# Altium PCB Audio-Beamformer_V1.0.PcbDoc (part 3 of 11) (continued)
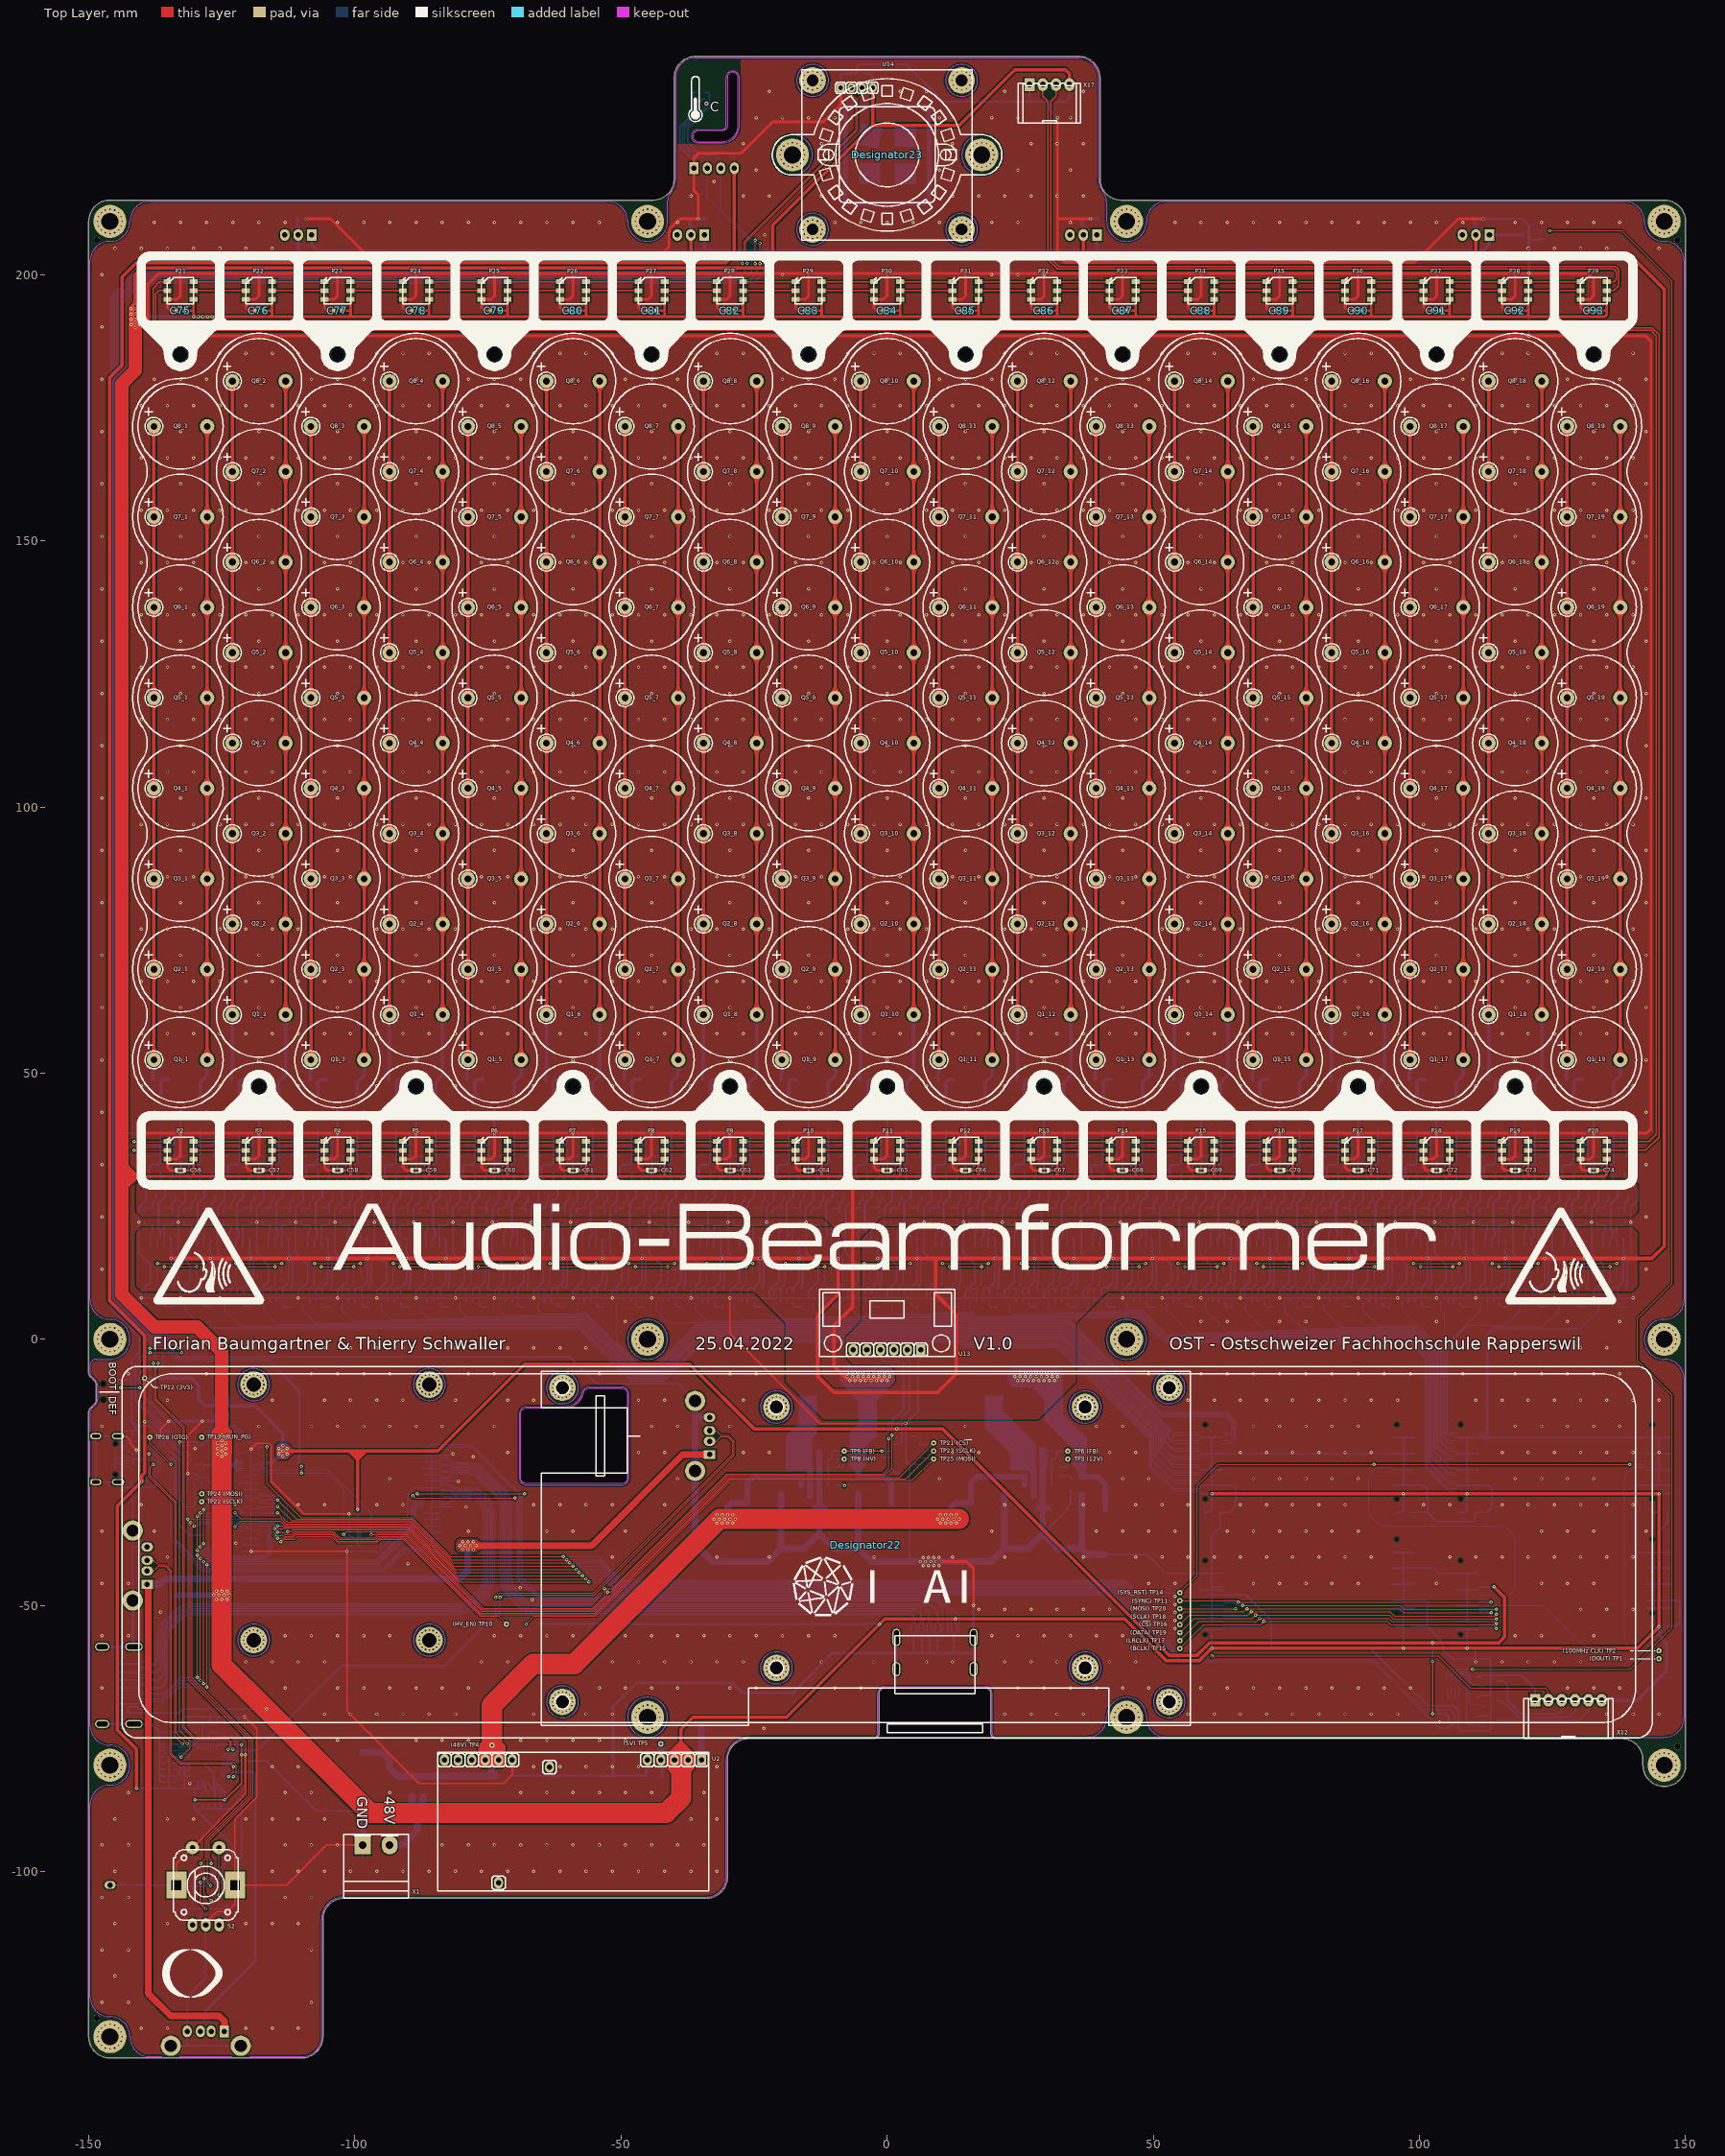
[diagram p0: Top Layer view]
## Footprints (in the part's own frame and the unit in brackets; to place one, negate y for a bottom-side part, rotate by r counter-clockwise, add the part's x,y. Pads: shape width x height; smd on the part's side, far side on the other; paste and mask are expansions set on the pad) (continued)
"SMD Connector (1661)" [mm] "SMD_LED_RED"
  rect 2x0.25 smd: 1(2.2,6) 2(2.2,5.5) 3(2.2,5) 4(2.2,4.5) 5(2.2,4) 6(2.2,3.5) 7(2.2,3) 8(2.2,2.5) 9(2.2,2) 10(2.2,1.5) 11(2.2,1) 12(2.2,0.5) 13(2.2,0) 14(2.2,-0.5) 15(2.2,-1) 16(2.2,-1.5) 17(2.2,-2) 18(2.2,-2.5) 19(2.2,-3) 20(2.2,-3.5) 21(2.2,-4) 22(2.2,-4.5) 23(2.2,-5) 24(2.2,-5.5) 25(2.2,-6) 26(-2.2,-6) 27(-2.2,-5.5) 28(-2.2,-5) 29(-2.2,-4.5) 30(-2.2,-4) 31(-2.2,-3.5) 32(-2.2,-3) 33(-2.2,-2.5) 34(-2.2,-2) 35(-2.2,-1.5) 36(-2.2,-1) 37(-2.2,-0.5) 38(-2.2,0) 39(-2.2,0.5) 40(-2.2,1) 41(-2.2,1.5) 42(-2.2,2) 43(-2.2,2.5) 44(-2.2,3) 45(-2.2,3.5) 46(-2.2,4) 47(-2.2,4.5) 48(-2.2,5) 49(-2.2,5.5) 50(-2.2,6)
  round 0 hole 0.55: NC(-1.25,-6.95) NC(-1.25,6.95)
  silkscreen extent -2,-7.6 4,7.6
"SMD CRYSTAL 3.2X2.5X0.8" [mm] "SMD_LED_RED"
  rect 1.4x1.2 smd: 1(1.2,0.95) 2(-1.2,-0.95) 3(-1.2,0.95) 3(1.2,-0.95)
  silkscreen extent -1.6,-1.25 2,1.7, body extent -1.65,-1.3 1.65,1.3, height 0.8
"SMD DIODE SOD-123" [mm] "SM LED; 2 Flat Leads"
  rect 1x1.2 smd: A(-1.62,0) K(1.62,0)
  silkscreen extent -1.4,-0.87 1.4,0.9, body extent -1.92,-0.85 1.93,0.85, height 1.42
"SMD Diode TO-277" [mm] "SM LED; 2 Flat Leads"
  rect 1.4x1.4 smd: A(-3.805,-1.04) A(-3.805,1.04)
  rect 4.72x4.8 smd: K(0,0)
  silkscreen extent -3.93,-2.03 1.33,2.02, body extent -4.4,-2.37 2.25,2.37, height 1.2
"SMD Elko 10.0x10.0" [mm]
  rect 5x2.2 smd: M(4.2,0) P(-4.2,0)
  silkscreen extent -5.5,-5.5 5,5, body extent -5.85,-5.15 5.85,5.15, height 10.3
"SMD Elko 12.5x13.5" [mm]
  rect 5.5x2.5 smd: M(5.5,0) P(-5.5,0)
  silkscreen extent -7.25,-7.25 6.75,6.75, body extent -7.45,-6.75 7.45,6.75, height 13.5
"SMD HDMI HORIZONTAL" [mm]
  rect 0.3x2.6 smd: 1(4.5,0.76) 2(4,0.76) 3(3.5,0.76) 4(3,0.76) 5(2.5,0.76) 6(2,0.76) 7(1.5,0.76) 8(1,0.76) 9(0.5,0.76) 10(0,0.76) 11(-0.5,0.76) 12(-1,0.76) 13(-1.5,0.76) 14(-2,0.76) 15(-2.5,0.76) 16(-3,0.76) 17(-3.5,0.76) 18(-4,0.76) 19(-4.5,0.76)
  oval 1.5x2.7 hole 0.9 slot 2.1 at 90 deg: SHD(-7.25,-5.96) SHD(7.25,-5.96)
  oval 1.5x3.3 hole 0.9 slot 2.7 at 90 deg: SHD(-7.25,0) SHD(7.25,0)
  silkscreen extent -7.5,-10.6 7.5,1.6, body extent -7.5,-10.58 7.5,1.57, height 6.18
"SMD IC MSOP-10" [mm] "Shrink Small Outline; 16 Leads; Body Width 4.4 mm; Pitch 0.65 mm"
  oval 0.3x1 smd: 1(1,2.4) 2(0.5,2.4) 3(0,2.4) 4(-0.5,2.4) 5(-1,2.4) 6(-1,-2.4) 7(-0.5,-2.4) 8(0,-2.4) 9(0.5,-2.4) 10(1,-2.4)
  silkscreen extent -1.5,-1.5 1.81,2.06, body extent -1.5,-2.45 1.5,2.45, height 1.15
"SMD IC SM-8" [mm] "Shrink Small Outline; 16 Leads; Body Width 4.4 mm; Pitch 0.65 mm"
  oval 1x0.4 smd: 1(-1.75,0.975) 2(-1.75,0.325) 3(-1.75,-0.325) 4(-1.75,-0.975) 5(1.75,-0.975) 6(1.75,-0.325) 7(1.75,0.325) 8(1.75,0.975)
  silkscreen extent -1.86,-1.5 1.4,1.87, body extent -2,-1.45 2,1.45, height 1.1
"SMD IC SOIC-8" [mm]
  oval 0.6x2.2 smd: 1(1.905,2.7) 2(0.635,2.7) 3(-0.635,2.7) 4(-1.905,2.7) 5(-1.905,-2.7) 6(-0.635,-2.7) 7(0.635,-2.7) 8(1.905,-2.7)
  silkscreen extent -2.52,-2 2.48,2, body extent -2.52,-3.12 2.48,3.12, height 1.75
"SMD IC SOT-363 (SC-70-6)" [mm]
  rect 0.6x0.4 smd: 1(-0.95,0.65) 2(-0.95,0) 3(-0.95,-0.65) 4(0.95,-0.65) 5(0.95,0) 6(0.95,0.65)
  silkscreen extent -0.8,-1.05 0.63,1.4, body extent -1.05,-1 1.05,1, height 0.92
"SMD IC SOT-563" [mm]
  rrect50% 0.67x0.3 smd: 1(-0.74,0.5) 2(-0.74,0) 3(-0.74,-0.5) 4(0.74,-0.5) 5(0.74,0) 6(0.74,0.5)
  silkscreen extent -0.82,-0.8 0.55,1.17, body extent -0.81,-0.8 0.81,0.8, height 0.58
"SMD IC TO-263-5" [mm]
  rect 4.6x1.1 smd: 1(5.725,-3.4) 2(5.725,-1.7) 3(5.725,0) 4(5.725,1.7) 5(5.725,3.4)
  rect 9.4x10.8 smd: 3(-3.375,0)
  silkscreen extent 1.47,-5.5 7.98,5.5, body extent -7.83,-5 7.84,5, height 4.78
"SMD IC TSSOP-8" [mm] "Shrink Small Outline; 16 Leads; Body Width 4.4 mm; Pitch 0.65 mm"
  oval 0.4x1.26 smd: 1(0.975,2.2) 2(0.325,2.2) 3(-0.325,2.2) 4(-0.975,2.2) 5(-0.975,-2.2) 6(-0.325,-2.2) 7(0.325,-2.2) 8(0.975,-2.2)
  silkscreen extent -1.55,-1.55 2.02,2.22, body extent -1.55,-2.5 1.55,2.5, height 1.07
"SMD IC VFQFN-36" [mm]
  oval 0.25x0.9 smd: 1(2,2.9) 2(1.5,2.9) 3(1,2.9) 4(0.5,2.9) 5(0,2.9) 6(-0.5,2.9) 7(-1,2.9) 8(-1.5,2.9) 9(-2,2.9) 19(-2,-2.9) 20(-1.5,-2.9) 21(-1,-2.9) 22(-0.5,-2.9) 23(0,-2.9) 24(0.5,-2.9) 25(1,-2.9) 26(1.5,-2.9) 27(2,-2.9)
  oval 0.9x0.25 smd: 10(-2.9,2) 11(-2.9,1.5) 12(-2.9,1) 13(-2.9,0.5) 14(-2.9,0) 15(-2.9,-0.5) 16(-2.9,-1) 17(-2.9,-1.5) 18(-2.9,-2) 28(2.9,-2) 29(2.9,-1.5) 30(2.9,-1) 31(2.9,-0.5) 32(2.9,0) 33(2.9,0.5) 34(2.9,1) 35(2.9,1.5) 36(2.9,2)
  rect 3.7x3.7 smd: PAD(0,0)
  silkscreen extent -2.6,-2.6 3.12,3.13, body extent -3,-3 3,3, height 1.07
"SMD Inductor 7x7x4.5" [mm]
  rect 1.5x2.2 smd: 1(-3.15,0) 2(3.15,0)
  silkscreen extent -3.5,-3.5 3.5,3.5, body extent -3.6,-3.5 3.6,3.5, height 4.61
"SMD Inductor 13.8x12.6x6.5" [mm]
  rect 3.25x4.5 smd: 1(-5.625,0) 2(5.625,0)
  silkscreen extent -6.5,-6.3 6.5,6.3, body extent -6.45,-6.15 6.4,6.35, height 6.35
"SMD Keramikkondensator 0603" [mil]
  rect 25x35 smd: 1(-30,0) 2(30,0)
  silkscreen extent -30,-15 30,15, body extent -31,-16 31,16, height 32
"SMD Keramikkondensator 1206" [mil]
  rect 45x70 smd: 1(-60,0) 2(60,0)
  silkscreen extent -60,-30 60,30, body extent -63,-31 63,31, height 39
"SMD LED 0603" [mm] "SMD_LED_RED"
  rect 0.8x0.8 smd: A(-0.75,0) K(0.75,0)
  silkscreen extent -0.8,-0.4 0.8,0.4, body extent -0.81,-0.37 0.84,0.36, height 0.68
"SMD LED APA102C-5050" [mm] "SMD_LED_RED"
  rect 1.5x0.9 smd: 1(2.45,-1.65) 2(2.45,0) 3(2.45,1.65) 4(-2.45,1.65) 5(-2.45,0) 6(-2.45,-1.65)
  silkscreen extent -2.5,-2.5 2.5,2.5, body extent -2.75,-2.5 2.75,2.5, height 1.58
"SMD MOSFET SOT-23" [mm]
  rect 1x0.7 smd: D(1.2,0) G(-1.2,0.95) S(-1.2,-0.95)
  silkscreen extent -0.8,-1.5 0.8,1.5, body extent -1.3,-1.5 1.2,1.5, height 1.1
"SMD PPTC-Fuse 1206" [mil]
  rect 40x70 smd: 1(-60,0) 2(60,0)
  silkscreen extent -60,-30 60,30, body extent -63,-33 63,33, height 22
"SMD Switch SPDT (PCM12SMTR)" [mm]
  rect 0.7x1.5 smd: 1(2.25,-1.75) 2(-0.75,-1.75) 3(-2.25,-1.75)
  rect 1x0.8 smd: NC(-3.65,-0.965) NC(-3.65,0.965) NC(3.65,-0.965) NC(3.65,0.965)
  round 0 hole 0.9 unplated: NC(-1.5,0) NC(1.5,0)
  silkscreen extent -3.2,-1.3 3.2,2.3, body extent -3.67,-2.23 3.68,2.34, height 1.4
"SMD USB-C Socket (A40-00119)" [mm]
  rect 0.6x1.25 smd: A1B12(-3.2,7.45) A4B9(-2.4,7.45) B1A12(3.2,7.45) B4A9(2.4,7.45)
  rect 0.3x1.25 smd: A5(-1.25,7.45) A6(-0.25,7.45) A7(0.25,7.45) A8(1.25,7.45) B5(1.75,7.45) B6(0.75,7.45) B7(-0.75,7.45) B8(-1.75,7.45)
  oval 1.2x2.1 hole 0.6 slot 1.4 at 90 deg: G1(-4.32,2.6) G3(4.32,2.6)
  oval 1.2x2.3 hole 0.6 slot 1.7 at 90 deg: G2(-4.32,6.78) G4(4.32,6.78)
  round 0 hole 0.65 unplated: NC(-2.89,6.28) NC(2.89,6.28)
  silkscreen extent -4.4,0 4.4,7.3, body extent -4.47,0 4.48,7.75, height 3.26
"SMD Widerstand 0603" [mil]
  rect 25x35 smd: 1(-30,0) 2(30,0)
  silkscreen extent -30,-15 30,15, body extent -31,-16 31,16, height 18
"SMD Widerstand 1206" [mil]
  rect 40x70 smd: 1(-60,0) 2(60,0)
  silkscreen extent -60,-30 60,30, body extent -63,-31 63,32, height 22
"SMD Widerstand Array 4-Fach 0603" [mm]
  rect 0.65x0.8 smd: 1(-1.275,-0.7) 4(1.275,-0.7) 5(1.275,0.7) 8(-1.275,0.7)
  rect 0.5x0.8 smd: 2(-0.4,-0.7) 3(0.4,-0.7) 6(0.4,0.7) 7(-0.4,0.7)
  silkscreen extent -1.6,-0.8 1.6,0.8, body extent -1.6,-0.8 1.6,0.8, height 0.51
"THT CAMERA (USB500W02M)" [mm] "Capacitor, Electrolytic, Radial; Body 5 x 5 mm (Dia.xH typ); Pin Spacing 2 mm (typ)"
  rect 1.5x1.8 hole 0.85: 1(-8.7,12.6)
  oval 1.5x1.8 hole 0.85: 2(-6.7,12.6) 3(-4.7,12.6) 4(-2.7,12.6)
  round 5 hole 2.2: NC(-14,-14) NC(-14,14) NC(14,-14) NC(14,14)
  silkscreen extent -16,-16 16,16, body extent -16.25,-16.25 16.25,16.25, height 21.12
"THT Connector 2.5mm 4-Pol (1778641)" [mm] "Capacitor, Electrolytic, Radial; Body 5 x 5 mm (Dia.xH typ); Pin Spacing 2 mm (typ)"
  rect 1.9x2.4 hole 1.1: 1(-3.75,7.2)
  oval 1.9x2.4 hole 1.1: 2(-1.25,7.2) 3(1.25,7.2) 4(3.75,7.2)
  silkscreen extent -5.85,0 5.85,7.5, body extent -5.86,-10.5 5.86,7.5, height 5.04
"THT Connector 2.5mm 6-Pol (1778667)" [mm] "Capacitor, Electrolytic, Radial; Body 5 x 5 mm (Dia.xH typ); Pin Spacing 2 mm (typ)"
  rect 1.9x2.4 hole 1.1: 1(-6.25,7.2)
  oval 1.9x2.4 hole 1.1: 2(-3.75,7.2) 3(-1.25,7.2) 4(1.25,7.2) 5(3.75,7.2) 6(6.25,7.2)
  silkscreen extent -8.35,0 8.35,7.5, body extent -8.36,-10.5 8.36,7.5, height 5.04
"THT Connector 2.54mm 3-Pol (61900311021)" [mm] "Capacitor, Electrolytic, Radial; Body 5 x 5 mm (Dia.xH typ); Pin Spacing 2 mm (typ)"
  rect 1.8x2.2 hole 1: 1(-2.54,7.45)
  oval 1.8x2.2 hole 1: 2(0,7.45) 3(2.54,7.45)
  silkscreen extent -3.8,-5.7 3.8,7.8, body extent -3.81,-5.75 3.81,7.77, height 5.85
"THT DC-DC-Converter (NID65-X)" [mm] "Capacitor, Electrolytic, Radial; Body 5 x 5 mm (Dia.xH typ); Pin Spacing 2 mm (typ)"
  rect 1.7x2.2 hole 1: 1(-24.13,0)
  oval 1.7x2.2 hole 1: 2(-21.59,0) 3(-19.05,0) 4(-16.51,0) 5(-13.97,0) 6(11.43,0) 7(13.97,0) 8(16.51,0) 9(19.05,0) 10(21.59,0) 11(24.13,0) NC(4.411,1.35) NC(14.011,23.075)
  silkscreen extent -25.53,-1.4 25.43,24.6, body extent -25.52,-1.4 25.42,24.6, height 10.25
"THT Messpunkt Ø2.54mm Schwarz" [mm]
  oval 1.5x2.1 hole 1: 1(0,0)
  silkscreen extent -1.2,-1.2 1.2,1.2, body extent -1.27,-1.27 1.27,1.27, height 4.57
"THT Pin-Header 4x1 (NP)" [mm] "Capacitor, Electrolytic, Radial; Body 5 x 5 mm (Dia.xH typ); Pin Spacing 2 mm (typ)"
  rect 1.7x2.2 hole 1: 1(-3.81,0)
  oval 1.7x2.2 hole 1: 2(-1.27,0) 3(1.27,0) 4(3.81,0)
  silkscreen extent -5.08,-1.27 5.08,1.27
"THT Rotary Encoder with Switch" [mm]
  oval 1.8x2.5 hole 1: 1(-2.5,-7.5) 2(0,-7.5) 3(2.5,-7.5)
  round 2.5 hole 1: 4(2.5,7) 5(-2.5,7)
  rect 3.8x5 hole 1.8 square: 6(-5.5,0) 6(5.5,0)
  silkscreen extent -6.1,-6.6 6.1,6.6, body extent -7,-7.7 7,7.2, height 31.62
"THT SCHRAUBKLEMME STECKBAR 2-POL (1757242)" [mm]
  rect 3x3.5 hole 1.4: 1(-2.54,10)
  oval 3x3.5 hole 1.4: 2(2.54,10)
  silkscreen extent -6.1,0 6.1,12, body extent -6.08,-9.83 6.08,12, height 10.2
"THT Testpunkt Ø1mm" [mm]
  round 1 hole 0.4: 1(0,0)
"THT ToF-Sensor (VL53L5CX)" [mm] "Capacitor, Electrolytic, Radial; Body 5 x 5 mm (Dia.xH typ); Pin Spacing 2 mm (typ)"
  rect 1.7x2.2 hole 1: 1(6.35,0)
  oval 1.7x2.2 hole 1: 2(3.81,0) 3(1.27,0) 4(-1.27,0) 5(-3.81,0) 6(-6.35,0)
  silkscreen extent -12.7,-1.27 12.7,11.43, body extent -12.7,-1.27 12.7,11.43, height 15.5
"THT Transducer (MA40A16) (5mm Offset)" [mm] "Capacitor, Electrolytic, Radial; Body 5 x 5 mm (Dia.xH typ); Pin Spacing 2 mm (typ)"
  round 2.7 hole 1.3: 1(-5,0) 2(5,0)
  silkscreen extent -8,-8 8,8, body extent -8.1,-8.1 8.1,8.1, height 17
"THT USB-A (292303-1)" [mm] "Capacitor, Electrolytic, Radial; Body 5 x 5 mm (Dia.xH typ); Pin Spacing 2 mm (typ)"
  rect 1.7x2.2 hole 1: 1(3.5,-12.99)
  oval 1.7x2.2 hole 1: 2(1,-12.99) 3(-1,-12.99) 4(-3.5,-12.99)
  round 3.8 hole 2.3: 4(-6.57,-10.28) 4(6.57,-10.28)
  silkscreen extent -7.3,-14 7.3,0, body extent -8.12,-14 8.12,0, height 7.77

## Part data
C1 C10: library part "E6 - 10nF", "SMD Ceramic Capacitor E6", Component Value="10nF 50V", JLC-Parts=C57112, Component Description="Multilayer Ceramic Capacitors MLCC", ComponentLink1Description=Datasheet, ComponentLink1URL=https://datasheet.lcsc.com/lcsc/2102081402_FH-Guangdong-Fenghua-Advanced-Tech-0603B103K500NT_C57112.pdf, Digikey=478-3700-1-ND, Farnell=1833876, Mouser=581-06031C103J, Unit Price=0.01
C2 C6 C16 C17 C19 C20 C21_1 C21_2 C22_1 C22_2 C23_1 C23_2 C24_1 C24_2 C51 C52 C53 C54 C94 C96: library part C-CAPACITOR, "CAP-MK", Component Value="10µF 50V", JLC-Parts=C13585, Component Description="Multilayer Ceramic Capacitors", Digikey=445-7886-1-ND, Farnell=2211092, Mouser=810-CGA5L3X5R1H106K, Unit Price=0.27
C3 C7 C18: library part C-ELCAP, "CAP-Elko", Component Value="470µF 25V", JLC-Parts=C176672, Component Description="Electrolytic Capacitor", Mouser=140-VEJ471M1ETR1010, Unit Price=0.17
C4 C8 C12 C13: library part C-ELCAP, "CAP-Elko", Component Value="220µF 63V", JLC-Parts=C249502, Component Description="Electrolytic Capacitor", Unit Price=0.42
C5 C9 C11 C14 C25_1 C25_2 C25_3 C25_4 C25_5 C25_6 C25_7 C25_8 C25_9 C25_10 C25_11 C25_12 C25_13 C25_14 C25_15 C25_16 C25_17 C25_18 C25_19 C29_1 C29_2 C29_3 C29_4 C29_5 C29_6 C29_7 C29_8 C29_9 C29_10 C29_11 C29_12 C29_13 C29_14 C29_15 C29_16 C29_17 C29_18 C29_19: library part C-CAPACITOR, "CAP-MK", Component Value="1µF 100V", JLC-Parts=C91151, Component Description="Multilayer Ceramic Capacitors", Digikey=720-VJ1206Y104MXBATCT-ND, Farnell=1657939, Mouser=77-VJ1206Y104MXBAT, Unit Price=0.01
C15 C33 C34 C35 C36 C40 C42: library part "E6 - 1uF", "SMD Ceramic Capacitor E6", Component Value="1µF 50V", JLC-Parts=C15849, Component Description="Multilayer Ceramic Capacitors MLCC", ComponentLink1Description=Datasheet, ComponentLink1URL=https://datasheet.lcsc.com/lcsc/1810261812_Samsung-Electro-Mechanics-CL10A105KB8NNNC_C15849.pdf, Digikey=1276-1860-1-ND, Farnell=3013383, Mouser=187-CL10A105KB8NNNC, Unit Price=0.01
C26_1 C26_2 C26_3 C26_4 C26_5 C26_6 C26_7 C26_8 C26_9 C26_10 C26_11 C26_12 C26_13 C26_14 C26_15 C26_16 C26_17 C26_18 C26_19 C30_1 C30_2 C30_3 C30_4 C30_5 C30_6 C30_7 C30_8 C30_9 C30_10 C30_11 C30_12 C30_13 C30_14 C30_15 C30_16 C30_17 C30_18 C30_19 C46 C50 C55 C56 C57 C58 C59 C60 C61 C62 C63 C64 C65 C66 C67 C68 C69 C70 C71 C72 C73 C74 C75 C76 C77 C78 C79 C80 C81 C82 C83 C84 C85 C86 C87 C88 C89 C90 C91 C92 C93: library part C-CAPACITOR, "CAP-MK", Component Value="1µF 50V", JLC-Parts=C15849, Component Description="Multilayer Ceramic Capacitors", Digikey=1276-1860-1-ND, Farnell=3013383, Mouser=187-CL10A105KB8NNNC, Unit Price=0.01
C27_1 C27_2 C27_3 C27_4 C27_5 C27_6 C27_7 C27_8 C27_9 C27_10 C27_11 C27_12 C27_13 C27_14 C27_15 C27_16 C27_17 C27_18 C27_19 C31_1 C31_2 C31_3 C31_4 C31_5 C31_6 C31_7 C31_8 C31_9 C31_10 C31_11 C31_12 C31_13 C31_14 C31_15 C31_16 C31_17 C31_18 C31_19 C37 C38 C39 C41 C43: library part C-CAPACITOR, "CAP-MK", Component Value="100nF 50V", JLC-Parts=C14663, Component Description="Multilayer Ceramic Capacitors", Digikey=445-5666-1-ND, Farnell=2522432, Mouser=77-VJ0603V104ZXAPBC, Unit Price=0.01
C28_1 C28_2 C28_3 C28_4 C28_5 C28_6 C28_7 C28_8 C28_9 C28_10 C28_11 C28_12 C28_13 C28_14 C28_15 C28_16 C28_17 C28_18 C28_19 C32_1 C32_2 C32_3 C32_4 C32_5 C32_6 C32_7 C32_8 C32_9 C32_10 C32_11 C32_12 C32_13 C32_14 C32_15 C32_16 C32_17 C32_18 C32_19 C44 C45: library part C-CAPACITOR, "CAP-MK", Component Value="27pF 50V", JLC-Parts=C1656, Component Description="Multilayer Ceramic Capacitors", Digikey=399-C0603C270J5GAC7867CT-ND, Farnell=1414627, Mouser=80-C0603C270J5G, Unit Price=0.01
C47 C48 C49: library part C-CAPACITOR, "CAP-MK", Component Value="10nF 50V", JLC-Parts=C57112, Component Description="Multilayer Ceramic Capacitors", Digikey=445-5662-1-ND, Farnell=2346966, Mouser=77-VJ0603V103ZXAPBC, Unit Price=0.01
C95 C97 C98: library part C-CAPACITOR, "CAP-MK", Component Value="1µF 16V", JLC-Parts=C15849, Component Description="Multilayer Ceramic Capacitors", Digikey=587-1251-1-ND, Farnell=1327680, Mouser=963-EMK107BJ105KA-T, Unit Price=0.01
D1 D2 D3: library part R-DIODE:SCHKY, "S-DIODE", JLC-Parts=C2693399, Component Description="Low Voltage Schottky-Diode", Component Value=SP1060L, ComponentLink1Description=Datasheet, ComponentLink1URL=https://datasheet.lcsc.com/lcsc/2103051837_Changjiang-Electronics-Tech--CJ-SP1060L_C2693399.pdf, Unit Price=0.32
D4_1 D4_2 D4_3 D4_4 D4_5 D4_6 D4_7 D4_8 D4_9 D4_10 D4_11 D4_12 D4_13 D4_14 D4_15 D4_16 D4_17 D4_18 D4_19 D5_1 D5_2 D5_3 D5_4 D5_5 D5_6 D5_7 D5_8 D5_9 D5_10 D5_11 D5_12 D5_13 D5_14 D5_15 D5_16 D5_17 D5_18 D5_19 D6_1 D6_2 D6_3 D6_4 D6_5 D6_6 D6_7 D6_8 D6_9 D6_10 D6_11 D6_12 D6_13 D6_14 D6_15 D6_16 D6_17 D6_18 D6_19 D7_1 D7_2 D7_3 D7_4 D7_5 D7_6 D7_7 D7_8 D7_9 D7_10 D7_11 D7_12 D7_13 D7_14 D7_15 D7_16 D7_17 D7_18 D7_19 D8_1 D8_2 D8_3 D8_4 D8_5 D8_6 D8_7 D8_8 D8_9 D8_10 D8_11 D8_12 D8_13 D8_14 D8_15 D8_16 D8_17 D8_18 D8_19 D9_1 D9_2 D9_3 D9_4 D9_5 D9_6 D9_7 D9_8 D9_9 D9_10 D9_11 D9_12 D9_13 D9_14 D9_15 D9_16 D9_17 D9_18 D9_19 D10_1 D10_2 D10_3 D10_4 D10_5 D10_6 D10_7 D10_8 D10_9 D10_10 D10_11 D10_12 D10_13 D10_14 D10_15 D10_16 D10_17 D10_18 D10_19 D11_1 D11_2 D11_3 D11_4 D11_5 D11_6 D11_7 D11_8 D11_9 D11_10 D11_11 D11_12 D11_13 D11_14 D11_15 D11_16 D11_17 D11_18 D11_19 D12_1 D12_2 D12_3 D12_4 D12_5 D12_6 D12_7 D12_8 D12_9 D12_10 D12_11 D12_12 D12_13 D12_14 D12_15 D12_16 D12_17 D12_18 D12_19 D13_1 D13_2 D13_3 D13_4 D13_5 D13_6 D13_7 D13_8 D13_9 D13_10 D13_11 D13_12 D13_13 D13_14 D13_15 D13_16 D13_17 D13_18 D13_19 D16: library part R-DIODE, "DIODE (alt V)", Component Value=1N4148WTR, JLC-Parts=C81598, Component Description="Fast Switching Diode", ComponentLink1Description=Datasheet, ComponentLink1URL=https://datasheet.lcsc.com/lcsc/1811061725_ST-Semtech-1N4148W_C81598.pdf, Digikey=1655-1360-1-ND, Farnell=2306363, Mouser=750-1N4148W-HF, Unit Price=0.01
D14 D15: library part PD4E1U06DCKR, "Unidirectional 3A (8/20us) 15V (Typ) 6.5V 5.5V (Max) SOT-363 ESD Protection Devices ROHS", JLC-Parts=C194628, Component Description="ESD Suppressor", Component Value=PD4E1U06, ComponentLink1Description=Datasheet, ComponentLink1URL=https://datasheet.lcsc.com/lcsc/1810172210_Texas-Instruments-TPD4E1U06DCKR_C194628.pdf, Digikey=296-39347-1-ND, Farnell=3116516, Mouser=595-TPD4E1U06DCKR, Unit Price=0.12
F1: library part nSMD020-30V, "8V/1500mA/3000mA Resettable Fuses", Component Value=8V/1500mA/3000mA/100ms, JLC-Parts=C118413, Component Description="PTC Resettable Fuse", ComponentLink1Description=Datasheet, ComponentLink1URL=https://www.littelfuse.com/~/media/electronics/datasheets/resettable_ptcs/littelfuse_ptc_1206l_datasheet.pdf.pdf, Digikey=F3372CT-ND, Farnell=2383296, Mouser=576-1206L150THWR, Unit Price=0.07
K1_1 K1_2 K1_3 K1_4 K1_5 K1_6 K1_7 K1_8 K1_9 K1_10 K1_11 K1_12 K1_13 K1_14 K1_15 K1_16 K1_17 K1_18 K1_19 K2_1 K2_2 K2_3 K2_4 K2_5 K2_6 K2_7 K2_8 K2_9 K2_10 K2_11 K2_12 K2_13 K2_14 K2_15 K2_16 K2_17 K2_18 K2_19 K3_1 K3_2 K3_3 K3_4 K3_5 K3_6 K3_7 K3_8 K3_9 K3_10 K3_11 K3_12 K3_13 K3_14 K3_15 K3_16 K3_17 K3_18 K3_19 K4_1 K4_2 K4_3 K4_4 K4_5 K4_6 K4_7 K4_8 K4_9 K4_10 K4_11 K4_12 K4_13 K4_14 K4_15 K4_16 K4_17 K4_18 K4_19: library part K-FET:NIGE, "MOSFET N-Channel", JLC-Parts=C431506, Component Description="MOSFET N-Channel", Component Value=BSS123, ComponentLink1Description=Datasheet, ComponentLink1URL=https://datasheet.lcsc.com/lcsc/1912111437_BORN-BSS123_C431506.pdf, Digikey=3191-BSS123-F2-0000HFCT-ND, Farnell=3755132, Mouser=726-BSS123NH6433, Unit Price=0.02
K5 K6 K7 K8: library part K-FET:NIGE, "MOSFET N-Channel", JLC-Parts=C20917, Component Description="MOSFET N-Channel", Component Value=AO3400A, ComponentLink1Description=Datasheet, ComponentLink1URL=http://www.aosmd.com/pdfs/datasheet/AO3400A.pdf, Digikey=785-1000-1-ND, Unit Price=0.20
L1 L2: library part L-COIL, "Shielded Power Inductor", JLC-Parts=C497913, Component Description="Shielded Power Inductor", Component Value="47µH 5.0A", ComponentLink1Description=Datasheet, ComponentLink1URL=https://datasheet.lcsc.com/lcsc/2003172239_YJYCOIN-YSPI1365-470M_C497913.pdf, Digikey=118-SRP1265WA-470MCT-ND, Farnell=3929029, Mouser=652-SRP1265WA-470M, Unit Price=0.68
L3_1 L3_2 L3_3 L3_4 L3_5 L3_6 L3_7 L3_8 L3_9 L3_10 L3_11 L3_12 L3_13 L3_14 L3_15 L3_16 L3_17 L3_18 L3_19 L4_1 L4_2 L4_3 L4_4 L4_5 L4_6 L4_7 L4_8 L4_9 L4_10 L4_11 L4_12 L4_13 L4_14 L4_15 L4_16 L4_17 L4_18 L4_19: library part L-COIL, "Shielded Power Inductor", Component Value="SLF7045T-221MR33-PF (220µH 330mA)", JLC-Parts=C24679, Component Description="Shielded Power Inductor", ComponentLink1Description=Datasheet, ComponentLink1URL=https://datasheet.lcsc.com/lcsc/1810010112_TDK-SLF7045T-221MR33-PF_C24679.pdf, Digikey=445-1210-1-ND, Farnell=2215715, Mouser=810-SLF7045T-221M, Unit Price=0.32
P1: library part "LED Green 0603", "General Purpose LED", Component Value="Green (5mA, 2.4V)", JLC-Parts=C72043, Component Description="General Purpose LED", ComponentLink1Description=Datasheet, ComponentLink1URL=https://datasheet.lcsc.com/szlcsc/Everlight-Elec-19-217-GHC-YR1S2-3T_C72043.pdf, Digikey=350-2035-1-ND, Farnell=1465991, Mouser=645-598-8070-107F, Unit Price=0.34
P2 P3 P4 P5 P6 P7 P8 P9 P10 P11 P12 P13 P14 P15 P16 P17 P18 P19 P20 P21 P22 P23 P24 P25 P26 P27 P28 P29 P30 P31 P32 P33 P34 P35 P36 P37 P38 P39: library part P-APA102C, "Smart RGB-LED", Component Description="Smart RGB-LED", Component Value=APA102C, ComponentLink1Description=Datasheet, ComponentLink1URL=https://cdn.sparkfun.com/datasheets/Components/LED/APA102C.pdf, Digikey=1568-COM-16345-ND, Mouser=474-COM-16345, Unit Price=0.35
Q1_1 Q1_2 Q1_3 Q1_4 Q1_5 Q1_6 Q1_7 Q1_8 Q1_9 Q1_10 Q1_11 Q1_12 Q1_13 Q1_14 Q1_15 Q1_16 Q1_17 Q1_18 Q1_19 Q2_1 Q2_2 Q2_3 Q2_4 Q2_5 Q2_6 Q2_7 Q2_8 Q2_9 Q2_10 Q2_11 Q2_12 Q2_13 Q2_14 Q2_15 Q2_16 Q2_17 Q2_18 Q2_19 Q3_1 Q3_2 Q3_3 Q3_4 Q3_5 Q3_6 Q3_7 Q3_8 Q3_9 Q3_10 Q3_11 Q3_12 Q3_13 Q3_14 Q3_15 Q3_16 Q3_17 Q3_18 Q3_19 Q4_1 Q4_2 Q4_3 Q4_4 Q4_5 Q4_6 Q4_7 Q4_8 Q4_9 Q4_10 Q4_11 Q4_12 Q4_13 Q4_14 Q4_15 Q4_16 Q4_17 Q4_18 Q4_19 Q5_1 Q5_2 Q5_3 Q5_4 Q5_5 Q5_6 Q5_7 Q5_8 Q5_9 Q5_10 Q5_11 Q5_12 Q5_13 Q5_14 Q5_15 Q5_16 Q5_17 Q5_18 Q5_19 Q6_1 Q6_2 Q6_3 Q6_4 Q6_5 Q6_6 Q6_7 Q6_8 Q6_9 Q6_10 Q6_11 Q6_12 Q6_13 Q6_14 Q6_15 Q6_16 Q6_17 Q6_18 Q6_19 Q7_1 Q7_2 Q7_3 Q7_4 Q7_5 Q7_6 Q7_7 Q7_8 Q7_9 Q7_10 Q7_11 Q7_12 Q7_13 Q7_14 Q7_15 Q7_16 Q7_17 Q7_18 Q7_19 Q8_1 Q8_2 Q8_3 Q8_4 Q8_5 Q8_6 Q8_7 Q8_8 Q8_9 Q8_10 Q8_11 Q8_12 Q8_13 Q8_14 Q8_15 Q8_16 Q8_17 Q8_18 Q8_19: library part Q-Piezo, "Ultrasonic Transducer", Component Value="MA40A16 (40kHz, 16mm)", Component Description="Ultrasonic Transducer", Unit Price=0.40
Q9: library part B-QUARZ-CAP, Component Value=24Mhz, JLC-Parts=C295524, Component Description="Crystal Oscillator", ComponentLink1Description=Datasheet, ComponentLink1URL=https://datasheet.lcsc.com/lcsc/1811052217_TAITIEN-Elec-OXETGLJANF-24MHZ_C295524.pdf, Digikey=535-9138-1-ND, Farnell=2467832, Mouser=815-ABM8-24-B2-T, Unit Price=0.50
R1 R11_1 R11_2 R11_3 R11_4 R11_5 R11_6 R11_7 R11_8 R11_9 R11_10 R11_11 R11_12 R11_13 R11_14 R11_15 R11_16 R11_17 R11_18 R11_19 R13_1 R13_2 R13_3 R13_4 R13_5 R13_6 R13_7 R13_8 R13_9 R13_10 R13_11 R13_12 R13_13 R13_14 R13_15 R13_16 R13_17 R13_18 R13_19 R16_1 R16_2 R16_3 R16_4 R16_5 R16_6 R16_7 R16_8 R16_9 R16_10 R16_11 R16_12 R16_13 R16_14 R16_15 R16_16 R16_17 R16_18 R16_19 R17_1 R17_2 R17_3 R17_4 R17_5 R17_6 R17_7 R17_8 R17_9 R17_10 R17_11 R17_12 R17_13 R17_14 R17_15 R17_16 R17_17 R17_18 R17_19 R19_1 R19_2 R19_3 R19_4 R19_5 R19_6 R19_7 R19_8 R19_9 R19_10 R19_11 R19_12 R19_13 R19_14 R19_15 R19_16 R19_17 R19_18 R19_19 R23_1 R23_2 R23_3 R23_4 R23_5 R23_6 R23_7 R23_8 R23_9 R23_10 R23_11 R23_12 R23_13 R23_14 R23_15 R23_16 R23_17 R23_18 R23_19: library part R-RESISTOR, "RES (E=Heizwiderstand B=Messwandler)", Component Value="10 (75V, 100mW, 1%)", JLC-Parts=C22859, Component Description="Thick Film Chip Resistor", Digikey=P10.0HCT-ND, Farnell=2302958, Mouser=667-ERJ-3EKF10R0V, Unit Price=0.01
R2: library part R-RESISTOR, "RES (E=Heizwiderstand B=Messwandler)", Component Value="13k (75V, 100mW, 1%)", JLC-Parts=C22797, Component Description="Thick Film Chip Resistor", Digikey=P13.0KHCT-ND, Farnell=2059416, Mouser=667-ERJ-3EKF1302V, Unit Price=0.01
R3 R6 R9 R21_1 R21_2 R21_3 R21_4 R21_5 R21_6 R21_7 R21_8 R21_9 R21_10 R21_11 R21_12 R21_13 R21_14 R21_15 R21_16 R21_17 R21_18 R21_19 R22_1 R22_2 R22_3 R22_4 R22_5 R22_6 R22_7 R22_8 R22_9 R22_10 R22_11 R22_12 R22_13 R22_14 R22_15 R22_16 R22_17 R22_18 R22_19 R33 R34 R35 R36 R37 R39 R40 R41 R42 R43 R44: library part R-RESISTOR, "RES (E=Heizwiderstand B=Messwandler)", Component Value="10k (75V, 100mW, 1%)", JLC-Parts=C25804, Component Description="Thick Film Chip Resistor", Digikey=P10.0KHCT-ND, Farnell=2303192, Mouser=667-ERJ-3EKF1002V, Unit Price=0.01
R4: library part R-RESISTOR, "RES (E=Heizwiderstand B=Messwandler)", Component Value="1.5k (75V, 100mW, 1%)", JLC-Parts=C22843, Component Description="Thick Film Chip Resistor", Digikey=P1.50KHCT-ND, Farnell=2303156, Mouser=667-ERJ-3EKF1501V, Unit Price=0.01
R5 R7: library part R-RESISTOR, "RES (E=Heizwiderstand B=Messwandler)", Component Value="100k (75V, 100mW, 1%)", JLC-Parts=C25803, Component Description="Thick Film Chip Resistor", Digikey=P100KHCT-ND, Farnell=2303232, Mouser=667-ERJ-3EKF1003V, Unit Price=0.01
R8: library part R-RESISTOR, "RES (E=Heizwiderstand B=Messwandler)", Component Value="3.0k (75V, 100mW, 1%)", JLC-Parts=C4211, Component Description="Thick Film Chip Resistor", Digikey=P3.00KHCT-ND, Farnell=2059357, Mouser=667-ERJ-3EKF3001V, Unit Price=0.01
R10 R12_1 R12_2 R12_3 R12_4 R12_5 R12_6 R12_7 R12_8 R12_9 R12_10 R12_11 R12_12 R12_13 R12_14 R12_15 R12_16 R12_17 R12_18 R12_19 R14_1 R14_2 R14_3 R14_4 R14_5 R14_6 R14_7 R14_8 R14_9 R14_10 R14_11 R14_12 R14_13 R14_14 R14_15 R14_16 R14_17 R14_18 R14_19: library part R-RESISTOR, "SMD-Widerstand 1/4W", Component Value="270 (75V, 100mW, 1%)", JLC-Parts=C22966, Component Description="Thick Film Chip Resistor", Digikey=P270HCT-ND, Farnell=2303096, Mouser=667-ERJ-3EKF2700V, Unit Price=0.06
R15_1 R15_2 R15_3 R15_4 R15_5 R15_6 R15_7 R15_8 R15_9 R15_10 R15_11 R15_12 R15_13 R15_14 R15_15 R15_16 R15_17 R15_18 R15_19 R20_1 R20_2 R20_3 R20_4 R20_5 R20_6 R20_7 R20_8 R20_9 R20_10 R20_11 R20_12 R20_13 R20_14 R20_15 R20_16 R20_17 R20_18 R20_19: library part R-RESISTOR, "RES (E=Heizwiderstand B=Messwandler)", Component Value="10 (200V, 250mW, 1%)", JLC-Parts=C17903, Component Description="Thick Film Chip Resistor", Digikey=P10ECT-ND, Farnell=2057799, Mouser=667-ERJ-8GEYJ100V, Unit Price=0.01
R18_1 R18_2 R18_3 R18_4 R18_5 R18_6 R18_7 R18_8 R18_9 R18_10 R18_11 R18_12 R18_13 R18_14 R18_15 R18_16 R18_17 R18_18 R18_19: library part R-RESISTOR, "RES (E=Heizwiderstand B=Messwandler)", Component Value="0 (200V, 250mW, 1%)", JLC-Parts=C17888, Component Description="Thick Film Chip Resistor", Digikey=P0.0ECT-ND, Farnell=2057791, Mouser=667-ERJ-8GEY0R00V, Unit Price=0.01
R24 R25 R26 R27: library part R-RESISTOR, "RES (E=Heizwiderstand B=Messwandler)", Component Value="5.1k (75V, 100mW, 1%)", JLC-Parts=C23186, Component Description="Thick Film Chip Resistor", Digikey=P5.10KHCT-ND, Farnell=2059378, Mouser=667-ERJ-3EKF5101V, Unit Price=0.01
R28 R29 R30 R31: library part R-RESISTOR, "RES (E=Heizwiderstand B=Messwandler)", Component Value="36k (75V, 100mW, 1%)", JLC-Parts=C23147, Component Description="Thick Film Chip Resistor", Digikey=P36.0KHCT-ND, Farnell=2303207, Mouser=667-ERJ-3EKF3602V, Unit Price=0.01
R32: library part R-RESISTOR, "RES (E=Heizwiderstand B=Messwandler)", Component Value="12k (75V, 100mW, 1%)", JLC-Parts=C22790, Component Description="Thick Film Chip Resistor", Digikey=P12.0KHCT-ND, Farnell=2303195, Mouser=667-ERJ-3EKF1202V, Unit Price=0.01
R38: library part "R-Array Single Quad E24 - 330", "Isolated Resistor Array", Component Value="100 (4x, 50V, 62.5mW, 5%)", JLC-Parts=C25506, Component Description="Isolated Resistor Array", ComponentLink1Description=Datasheet, ComponentLink1URL=https://datasheet.lcsc.com/lcsc/1810170717_UNI-ROYAL-Uniroyal-Elec-4D03WGJ0331T5E_C12018.pdf, Digikey=Y4101CT-ND, Farnell=2060157, Mouser=667-EXB-V8V101JV, Unit Price=0.01
S1: library part S-PCM12SMTR, "Miniature Slide Switch", Component Value="PCM12SMTR (SPDT)", JLC-Parts=C221841, aliExpress=33002042977, Component Description="Miniature Slide Switch", Digikey=401-2016-1-ND, Farnell=9575146, Mouser=611-PCM12SMTR, Unit Price=0.77
S2: library part "S-Rotary Encoder", "Rotary Encoder", Component Description="Rotary Encoder with Switch", Component Value=PEC11R-4025F-S0024, ComponentLink1Description=Datasheet, ComponentLink1URL=https://www.bourns.com/docs/Product-Datasheets/PEC11R.pdf, Digikey=PEC11R-4025F-S0024, Mouser=652-PEC11R4025FS0024, Unit Price=2.49
TP1 TP2 TP3 TP4 TP5 TP6 TP8 TP9 TP10 TP11 TP12 TP13 TP14 TP15 TP16 TP17 TP18 TP19 TP20 TP21 TP22 TP23 TP24 TP25 TP26: "Testpunkt", Component Value="Ø 0.8mm", Component Description=Testpoint, Unit Price=0.00
TP7: library part X-MP, "Messpunkt", Component Value="Ø 2.54mm (Black)", Component Description=Ground-Clip, Digikey=36-5001-ND, Farnell=2301278, Mouser=534-5001, Unit Price=0.36
U1 U3: library part U-LM2596HV, "High Power Switching Buck Converter", Component Value=LM2596HVS-ADJ/TR, JLC-Parts=C356713, Component Description="High Power Switching Buck Converter", ComponentLink1Description=Datasheet, ComponentLink1URL=https://datasheet.lcsc.com/lcsc/2006151006_HTC-Korea-TAEJIN-Tech-LM2596HVGR-ADJ_C508705.pdf, Unit Price=1.71
U2: library part U-NID65-5, "High Power Switching Buck Converter", Component Description="High Power Switching Buck Converter", Component Value=NID65-5, ComponentLink1Description=Datasheet, ComponentLink1URL=https://www.meanwellusa.com/webapp/product/search.aspx?prod=NID65#1, Digikey=NID65-5-ND, Farnell=3253319, Mouser=709-NID65-5, Unit Price=16.40
U4: library part U-MCP41010T, Component Value="MCP41010T-I/SN (10k)", JLC-Parts=C136395, Component Description="Digital-Potentiometer 8-Bit", ComponentLink1Description=Datasheet, ComponentLink1URL=https://datasheet.lcsc.com/lcsc/1806121747_Microchip-Tech-MCP41010T-I-SN_C136395.pdf, Digikey=MCP41010T-I/SNCT-ND, Farnell=2857765, Mouser=579-MCP41010T-I/SN, Unit Price=2.70
U5: library part U-CM4, "Board-To-Board Connector", JLC-Parts=C597931, Component Description="Board-To-Board Connector", Component Value=DF40C-100DS-0.4V, ComponentLink1Description=Datasheet, ComponentLink1URL=https://www.farnell.com/datasheets/2691051.pdf, Digikey=H11615CT-ND, Farnell=2427679, Mouser=798-DF40C100DS0.4V51, Unit Price=1.59
U6_1 U6_2 U6_3 U6_4 U6_5 U6_6 U6_7 U6_8 U6_9 U6_10 U6_11 U6_12 U6_13 U6_14 U6_15 U6_16 U6_17 U6_18 U6_19 U7_1 U7_2 U7_3 U7_4 U7_5 U7_6 U7_7 U7_8 U7_9 U7_10 U7_11 U7_12 U7_13 U7_14 U7_15 U7_16 U7_17 U7_18 U7_19: library part U-LM5109B, "High Voltage 1A Peak Half Bridge Gate Driver", JLC-Parts=C116862, Component Description="High Voltage Gate Driver", Component Value=LM5109B, ComponentLink1Description=Datasheet, ComponentLink1URL=https://datasheet.lcsc.com/lcsc/1809172040_Texas-Instruments-LM5109AMAX-NOPB_C129332.pdf, Digikey=LM5109BMA/NOPB-ND, Farnell=3005776, Mouser=926-LM5109BMAX/NOPB, Unit Price=1.13
U8: library part U-FSUSB30MUX, "High Speed USB 2.0 Switch", JLC-Parts=C11143, Component Description="High Speed USB 2.0 Switch", Component Value=FSUSB30MUX, ComponentLink1Description=Datasheet, ComponentLink1URL=https://datasheet.lcsc.com/lcsc/1809111813_onsemi-FSUSB30MUX_C11143.pdf, Digikey=FSUSB30MUXCT-ND, Farnell=1495465, Mouser=512-FSUSB30MUX, Unit Price=0.41
U9: library part U-USB2514B, "USB 2.0 Hi-Speed Hub Controller", Component Value=USB2514B-AEZC-TR, JLC-Parts=C16251, Component Description="USB 2.0 Hi-Speed Hub Controller", ComponentLink1Description=Datasheet, ComponentLink1URL=https://datasheet.lcsc.com/lcsc/1809200030_Microchip-Tech-USB2514B-AEZC-TR_C16251.pdf, Digikey=USB2514B-AEZC-CT-ND, Farnell=2775061, Mouser=886-USB2514B-AEZC-TR, Unit Price=6.37
U10 U12: library part U-SN74LVC3G17DCTR, "Tripple Schmitt-Trigger Buffer", Component Value=SN74LVC3G17DCTR, JLC-Parts=C18213, Component Description="Tripple Schmitt-Trigger Buffer", ComponentLink1Description=Datasheet, ComponentLink1URL=https://datasheet.lcsc.com/lcsc/1809081631_Texas-Instruments-SN74LVC3G17DCTR_C18213.pdf, Digikey=296-16915-1-ND, Farnell=595-SN74LVC3G17DCTR, Mouser=595-SN74LVC3G17DCTR, Unit Price=0.70
U11: library part U-PCA9633DP1, "I2C Quad LED-Driver", JLC-Parts=C88381, Component Description="I2C Quad LED-Driver", Component Value=PCA9633DP1, ComponentLink1Description=Datasheet, ComponentLink1URL=https://datasheet.lcsc.com/lcsc/1806132321_NXP-Semicon-PCA9633DP1-118_C88381.pdf, Digikey=568-3236-1-ND, Farnell=2759862, Mouser=771-PCA9633DP1-T, Unit Price=1.45
U13: library part U-VL53L5CX, "Time-of-Flight 8x8 Multizone Sensor", Component Description="Time-of-Flight 8x8 Multizone Sensor", Component Value=VL53L5CX, ComponentLink1Description=Datasheet, ComponentLink1URL=https://www.st.com/resource/en/datasheet/vl53l5cx.pdf, Digikey=1568-SEN-19013-ND, Mouser=474-SEN-19013, Unit Price=22.95
U14: library part U-USB500W02M, "USB 5.0 Megapixel CMOS Camera Module", Component Description="USB 5.0 Megapixel CMOS Camera Module", Component Value=USB500W02M, ComponentLink1Description=Datasheet, ComponentLink1URL=http://chinavasion.cn/upfile/2017/11/17/20171117105421_537.pdf, Unit Price=40.00
U15 U16: library part U-TMP112AIDRLR, "High-Accuracy, Low-Power, Digital Temperature Sensor", Component Value=TMP112AIDRLR, JLC-Parts=C28927, Component Description="High-Accuracy, Low-Power, Digital Temperature Sensor", ComponentLink1Description=Datasheet, ComponentLink1URL=https://www.ti.com/general/docs/suppproductinfo.tsp?distId=10&gotoUrl=https%3A%2F%2Fwww.ti.com%2Flit%2Fgpn%2Ftmp112, Digikey=296-38578-1-ND, Farnell=3009067, Mouser=595-TMP112AIDRLR, Unit Price=1.79
X1: Component Value="1757242 (2-Pol, 320V, 12A, 5.08mm)", Component Description="Screw Terminal (Pluggable)", ComponentLink1Description=Datasheet, ComponentLink1URL=https://www.mouser.ch/datasheet/2/324/4/1757242-1440624.pdf, Digikey=277-1106-ND, Farnell=3705171, Mouser=651-1757242, Unit Price=0.66
X2_1 X2_2 X3_1 X3_2 X4_1 X4_2 X5_1 X5_2: library part X-4UCON_1661, "Board-to-Board Connector (Receptacle)", Component Value="PRT-16890 (1661)", Component Description="Board-to-Board Connector (Receptacle)", ComponentLink1Description=Datasheet, ComponentLink1URL=http://www.4uconnector.com/online/object/4udrawing/19008.pdf, Digikey=1568-PRT-16890-ND, Mouser=474-PRT-16890, Unit Price=1.60
X6 X7: library part X-HDMI-Connector, "Female Right Angle", Component Value=HDMR-19-01-S-SM, JLC-Parts=C138388, Component Description="HDMI-Connector (Female Right Angle)", ComponentLink1Description=Datasheet, ComponentLink1URL=https://datasheet.lcsc.com/lcsc/1811111311_BOOMELE-Boom-Precision-Elec-C138388_C138388.pdf, Digikey=SAM9475-ND, Farnell=3742389, Mouser=200-HDMR-19-01-SSMTR, Unit Price=0.21
X8: library part X-USB-Buchse, "Typ-C", Component Value=USB4105-GF-A, JLC-Parts=C167321, aliExpress=33045191307, Component Description="USB Connector Type-C", ComponentLink1Description=Datasheet, ComponentLink1URL=https://datasheet.lcsc.com/lcsc/2103051833_Jing-Extension-of-the-Electronic-Co--918-418K2023S40001_C167321.pdf, Digikey=2073-USB4105-GF-ACT-ND, Farnell=3583366, Unit Price=0.34
X9 X10 X11: library part X-USB-Type-A, Component Value=292303-1, JLC-Parts=C86461, Component Description="USB Connector Type-A", ComponentLink1Description=Datasheet, ComponentLink1URL=https://datasheet.lcsc.com/lcsc/1811131820_TE-Connectivity-292303-1_C86461.pdf, Digikey=A31726-ND, Farnell=1076663, Mouser=571-292303-1, Unit Price=0.45
X12: library part "X-Stiftleiste (6-Fach)", Component Value="PTSM 0,5/ 6-HH-2,5-THR R32", Component Description="Board-To-Wire Connector (Receptacle)", ComponentLink1Description=Datasheet, ComponentLink1URL=https://4donline.ihs.com/images/VipMasterIC/IC/PCON/PCONS21961/PCONS22028-1.pdf?hkey=52A5661711E402568146F3353EA87419, Digikey=277-2312-1-ND, Farnell=3240578, Mouser=651-1778667, Unit Price=1.42
X13 X14 X15 X16: library part "X-Stiftleiste (3-Fach)", Component Value=61900311021, Component Description="Board-To-Wire Connector (Receptacle)", ComponentLink1Description=Datasheet, ComponentLink1URL=https://www.farnell.com/datasheets/2977292.pdf, Digikey=732-2700-ND, Farnell=1841372, Mouser=710-61900311021, Unit Price=0.58
X17: library part "X-Stiftleiste (4-Fach)", Component Value="PTSM 0,5/ 4-HH-2,5-THR R32", Component Description="Board-To-Wire Connector (Receptacle)", ComponentLink1Description=Datasheet, ComponentLink1URL=https://4donline.ihs.com/images/VipMasterIC/IC/PCON/PCONS21961/PCONS22028-1.pdf?hkey=52A5661711E402568146F3353EA87419, Digikey=277-2310-1-ND, Farnell=3240558, Mouser=651-1778641, Unit Price=0.74
X18: library part "X-Stiftleiste (4-Fach)", Component Description="Pin Header", Unit Price=0.00

## Free pads (board coordinates)
  round 1.152 hole 1.152 unplated paste+1.152 mask+0.148: NC(-148.5,-127.5) NC(-148.5,206.5) NC(148.5,-76.5) NC(148.5,206.5)
  round 6.2 hole 3.2: NC(-146,-131) NC(-146,-80) NC(-146,0) NC(-146,210) NC(-45,-71) NC(-45,0) NC(-45,210) NC(45,-71) NC(45,0) NC(45,210) NC(146,-80) NC(146,0) NC(146,210)
  round 0 hole 2.5 unplated: NC(-132.75,185) NC(-118,47.5) NC(-103.25,185) NC(-88.5,47.5) NC(-73.75,185) NC(-59,47.5) NC(-44.25,185) NC(-29.5,47.5) NC(-14.75,185) NC(0,47.5) NC(14.75,185) NC(29.5,47.5) NC(44.25,185) NC(59,47.5) NC(73.75,185) NC(88.5,47.5) NC(103.25,185) NC(118,47.5) NC(132.75,185)

## Via types
v1: diameter 0.62, hole 0.3, Top Layer to Bottom Layer, tented both sides, 2808 vias